# KiCad board Scopefun_v2.kicad_pcb (continued)
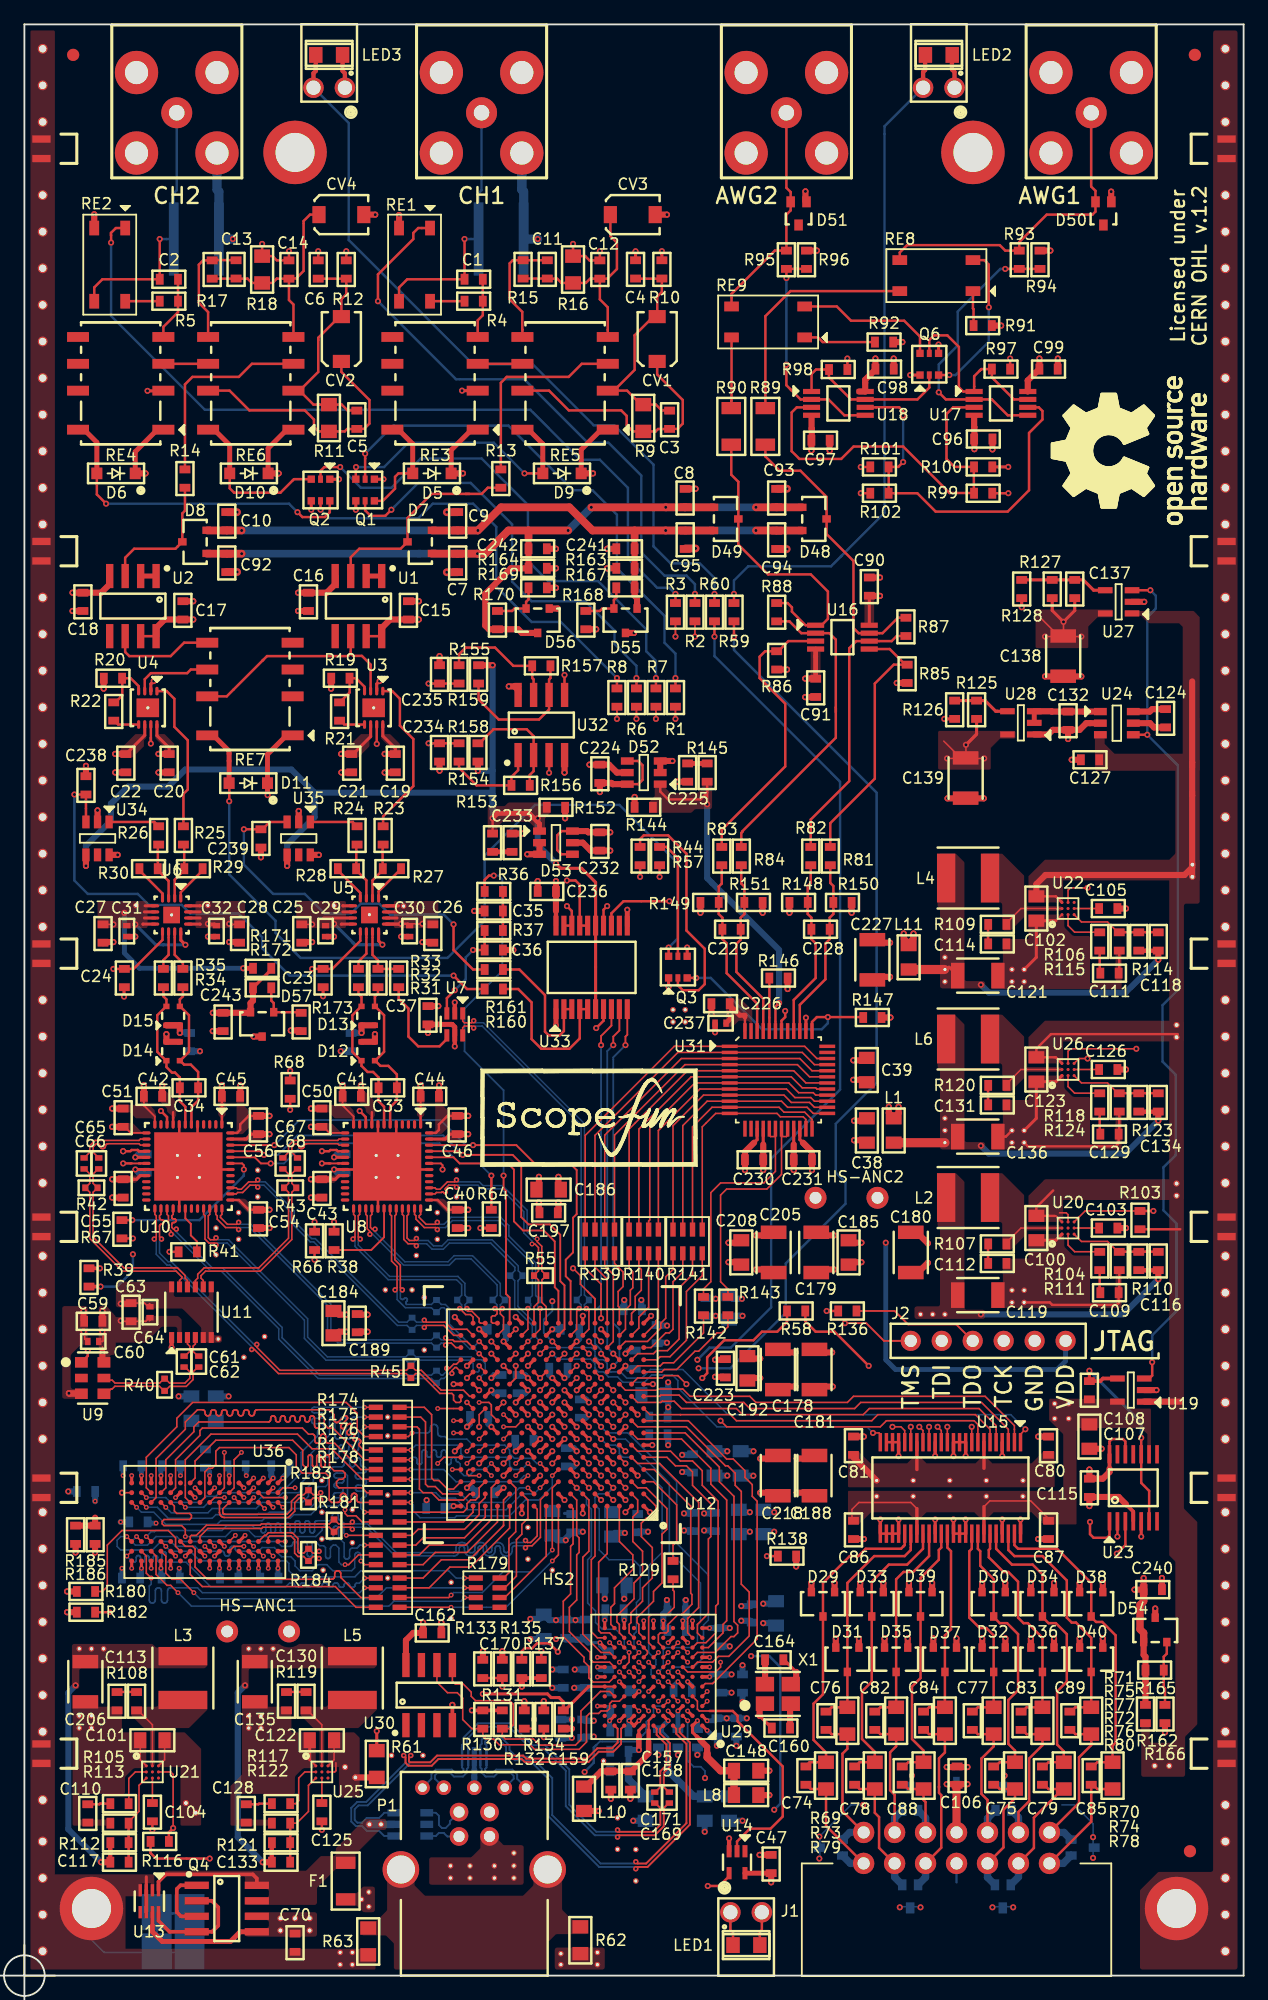
[diagram p0: board, top side]
## Placement (name value [footprint] x y rotation side) (continued)
R156  R_1.02k  [R_0603]  40.7 97.6 90 top
R157  R_1.02k  [R_0603]  42.4 107.4 90 top
R158  R_1.02k  [R_0603]  35.65 100.3 0 top
R159  R_1.02k  [R_0603]  35.65 106.7 180 top
R160  R_1.02k  [R_0603]  38.5 80.9 90 top
R161  R_1.02k  [R_0603]  38.5 82.5 90 top
R162  R_1.02k  [R_0603]  91.95 21.45 0 top
R163  R_1.02k  [R_0603]  49.3 115.4 270 top
R164  R_1.02k  [R_0603]  42.1 115.4 90 top
R165  R_6.8k  [R_0603]  92.7 25.05 90 top
R166  R_22k  [R_0603]  93.55 21.45 0 top
R167  R_1.02k  [R_0603]  49.3 113.8 270 top
R168  R_6.8k  [R_0603]  46.05 111.15 0 top
R169  R_1.02k  [R_0603]  42.1 113.8 270 top
R170  R_6.8k  [R_0603]  38.8 111.15 0 top
R171  R_1.02k  [R_0603]  19.5 82.6 270 top
R172  R_200R  [R_0603]  19.5 81 90 top
R173  R_1.02k  [R_0603]  22.7 78.2 0 top
R174  RA_27R  [R_CRA06E]  29.8 45.4 180 top
R175  RA_27R  [R_CRA06E]  29.8 41.9 180 top
R176  RA_27R  [R_CRA06E]  29.8 38.4 180 top
R177  RA_27R  [R_CRA06E]  29.8 34.9 180 top
R178  RA_27R  [R_CRA06E]  29.8 31.4 180 top
R179  RA_27R  [R_CRA06E]  38 31.4 180 top
R180  R_240R  [R_0603]  5.05 31.5 270 top
R181  R_100  [R_0402]  25.4 36.9 180 top
R182  R_4k7  [R_0603]  5.05 29.8 270 top
R183  R_100  [R_0402]  23.3 39.3 0 top
R184  R_100  [R_0402]  23.3 34.5 0 top
R185  R_1.02k  [R_0603]  5.8 36.15 180 top
R186  R_1.02k  [R_0603]  4.2 36.15 0 top
RE1  AQY282SX  [SOP-4]  32 140.3 90 top
RE2  AQY282SX  [SOP-4]  7 140.3 90 top
RE3  G6K-2F-Y-DC4.5  [G6K-2F-Y]  33.68 130.57 180 top
RE4  G6K-2F-Y-DC4.5  [G6K-2F-Y]  7.9 130.57 180 top
RE5  G6K-2F-Y-DC4.5  [G6K-2F-Y]  44.35 130.57 180 top
RE6  G6K-2F-Y-DC4.5  [G6K-2F-Y]  18.57 130.57 180 top
RE7  G6K-2F-Y-DC4.5  [G6K-2F-Y]  18.5 105.5 180 top
RE8  AQY282SX  [SOP-4]  74.8 139.4 0 top
RE9  AQY282SX  [SOP-4]  61 135.6 0 top
SHLD1  SHLD_FINGER_0820  [EMI_SHLD_FINGER_0820]  1.4 18.2 90 top
SHLD2  SHLD_FINGER_0820  [EMI_SHLD_FINGER_0820]  98.6 18.2 270 top
SHLD3  SHLD_FINGER_0820  [EMI_SHLD_FINGER_0820]  1.4 40 90 top
SHLD4  SHLD_FINGER_0820  [EMI_SHLD_FINGER_0820]  98.6 40 270 top
SHLD5  SHLD_FINGER_0820  [EMI_SHLD_FINGER_0820]  1.4 61.4 90 top
SHLD6  SHLD_FINGER_0820  [EMI_SHLD_FINGER_0820]  98.6 61.4 270 top
SHLD7  SHLD_FINGER_0820  [EMI_SHLD_FINGER_0820]  1.4 83.8 90 top
SHLD8  SHLD_FINGER_0820  [EMI_SHLD_FINGER_0820]  98.6 83.8 270 top
SHLD9  SHLD_FINGER_0820  [EMI_SHLD_FINGER_0820]  1.4 116.8 90 top
SHLD10  SHLD_FINGER_0820  [EMI_SHLD_FINGER_0820]  98.6 116.8 270 top
SHLD11  SHLD_FINGER_0820  [EMI_SHLD_FINGER_0820]  1.4 149.8 90 top
SHLD12  SHLD_FINGER_0820  [EMI_SHLD_FINGER_0820]  98.6 149.8 270 top
SLP1  SLP3-300-100-F  [SLP3-300-100-R]  59.2 2.5 270 top
SLP2  SLP3-300-100-F  [SLP3-300-100-R]  75 157.5 90 top
SLP3  SLP3-300-100-F  [SLP3-300-100-R]  25 157.5 90 top
U1  ADA4817-1  [SOIC8]  27.4 112.3 270 top
U2  ADA4817-1  [SOIC8]  8.9 112.3 270 top
U3  AD8337  [CP-8-2]  28.65 103.96 0 top
U4  AD8337  [CP-8-2]  10.12 103.96 0 top
U5  ADA4932-1  [CP-16-2]  28.3 86.97 0 top
U6  ADA4932-1  [CP-16-2]  12.08 86.97 0 top
U7  LTC6754  [SC70-6]  35.3 78 0 top
U8  KAD5510P-25Q48  [L48.7x7E]  29.75 66.35 270 top
U9  SG3225VAN-250Mhz  [3.2X2.5_SMD_6_EPSON]  5.6 49 0 top
U10  KAD5510P-25Q48  [L48.7x7E]  13.45 66.35 270 top
U11  LTC6957-2  [12-MSOP]  13.7 54.4 90 top
U12  XC7A35T-FTG256  [BGA256_FTG256]  43.3 46 270 top
U13  LTC4360-1  [SC70]  10.25 6.1 0 top
U14  SN74AUP1T17DCKR  [SC70-5]  58.45 9.3 180 top
U15  74AVCH16T245  [TSSOP48]  75.95 39.99 270 top
U16  OPA2830  [TSSOP8]  67.09 109.75 0 top
U17  LM393DGK  [TSSOP8]  80.1 128.92 0 top
U18  LM393DGK  [TSSOP8]  66.76 128.92 0 top
U19  SPX3819  [SOT23-5_EXAR]  90.75 48.01 270 top
U20  MAX15053  [WLP-9]  85.6 61.3 180 top
U21  MAX15053  [WLP-9]  10.5 16.7 90 top
U22  MAX15053  [WLP-9]  85.6 87.5 180 top
U23  MCP4251  [TSSOP14]  90.95 40 90 top
U24  LM2776  [SOT23-6]  89.6 102.7 270 top
U25  MAX15053  [WLP-9]  24.4 16.7 90 top
U26  MAX15053  [WLP-9]  85.6 74.3 180 top
U27  SPX3819  [SOT23-5_EXAR]  89.75 112.65 270 top
U28  TPS72301  [SOT23-5]  81.73 102.73 90 top
U29  CYUSB3014  [BGA121_0.8mm]  51.6 24.5 180 top
U30  M24M02-DR  [SOIC8]  33.2 23 90 top
U31  DAC5662  [S-PQFP-G48]  61.85 73.45 90 top
U32  AZ4558C  [SOIC8]  42.4 102.55 90 top
U33  MAX5501  [SSOP20]  46.53 82.68 90 top
U34  OPA692  [SOT23-6]  6 93.25 180 top
U35  OPA692  [SOT23-6]  22.5 93.25 180 top
U36  IS43TR16256A-125KBL  [TW-BGA-96]  14.8 37.2 270 top
VIA  VIA-0.5-0.3mm  [VIA-0.5mm-0.3mm]  21 4.7 0 top
VIA#2  VIA-0.5-0.3mm  [VIA-0.5mm-0.3mm]  13.25 14.15 0 top
VIA#3  VIA-0.8-0.6mm  [VIA-0.8mm-0.6mm]  1.5 2 0 top
VIA#4  VIA-0.8-0.6mm  [VIA-0.8mm-0.6mm]  1.5 5 0 top
VIA#5  VIA-0.8-0.6mm  [VIA-0.8mm-0.6mm]  1.5 8 0 top
VIA#6  VIA-0.8-0.6mm  [VIA-0.8mm-0.6mm]  1.5 11 0 top
VIA#7  VIA-0.8-0.6mm  [VIA-0.8mm-0.6mm]  1.5 14.4 0 top
VIA#8  VIA-0.8-0.6mm  [VIA-0.8mm-0.6mm]  1.5 20 0 top
VIA#9  VIA-0.8-0.6mm  [VIA-0.8mm-0.6mm]  1.5 23 0 top
VIA#10  VIA-0.8-0.6mm  [VIA-0.8mm-0.6mm]  1.5 26 0 top
VIA#11  VIA-0.8-0.6mm  [VIA-0.8mm-0.6mm]  1.5 29 0 top
VIA#12  VIA-0.8-0.6mm  [VIA-0.8mm-0.6mm]  1.5 32 0 top
VIA#13  VIA-0.8-0.6mm  [VIA-0.8mm-0.6mm]  1.5 35 0 top
VIA#14  VIA-0.8-0.6mm  [VIA-0.8mm-0.6mm]  1.5 38 0 top
VIA#15  VIA-0.8-0.6mm  [VIA-0.8mm-0.6mm]  1.5 47 0 top
VIA#16  VIA-0.8-0.6mm  [VIA-0.8mm-0.6mm]  1.5 50 0 top
VIA#17  VIA-0.8-0.6mm  [VIA-0.8mm-0.6mm]  1.5 53 0 top
VIA#18  VIA-0.8-0.6mm  [VIA-0.8mm-0.6mm]  1.5 56 0 top
VIA#19  VIA-0.8-0.6mm  [VIA-0.8mm-0.6mm]  1.5 59 0 top
VIA#20  VIA-0.8-0.6mm  [VIA-0.8mm-0.6mm]  1.5 65 0 top
VIA#21  VIA-0.8-0.6mm  [VIA-0.8mm-0.6mm]  1.5 68 0 top
VIA#22  VIA-0.8-0.6mm  [VIA-0.8mm-0.6mm]  1.5 71 0 top
VIA#23  VIA-0.8-0.6mm  [VIA-0.8mm-0.6mm]  1.5 74 0 top
VIA#24  VIA-0.8-0.6mm  [VIA-0.8mm-0.6mm]  1.5 77 0 top
VIA#25  VIA-0.8-0.6mm  [VIA-0.8mm-0.6mm]  1.5 80 0 top
VIA#26  VIA-0.8-0.6mm  [VIA-0.8mm-0.6mm]  1.5 86 0 top
VIA#27  VIA-0.8-0.6mm  [VIA-0.8mm-0.6mm]  1.5 89 0 top
VIA#28  VIA-0.8-0.6mm  [VIA-0.8mm-0.6mm]  1.5 92 0 top
VIA#29  VIA-0.8-0.6mm  [VIA-0.8mm-0.6mm]  1.5 95 0 top
VIA#30  VIA-0.8-0.6mm  [VIA-0.8mm-0.6mm]  1.5 98 0 top
VIA#31  VIA-0.8-0.6mm  [VIA-0.8mm-0.6mm]  1.5 101 0 top
VIA#32  VIA-0.8-0.6mm  [VIA-0.8mm-0.6mm]  1.5 104 0 top
VIA#33  VIA-0.8-0.6mm  [VIA-0.8mm-0.6mm]  1.5 107 0 top
VIA#34  VIA-0.8-0.6mm  [VIA-0.8mm-0.6mm]  1.5 110 0 top
VIA#35  VIA-0.8-0.6mm  [VIA-0.8mm-0.6mm]  1.5 113 0 top
VIA#36  VIA-0.8-0.6mm  [VIA-0.8mm-0.6mm]  1.5 119 0 top
VIA#37  VIA-0.8-0.6mm  [VIA-0.8mm-0.6mm]  1.5 122 0 top
VIA#38  VIA-0.8-0.6mm  [VIA-0.8mm-0.6mm]  1.5 125 0 top
VIA#39  VIA-0.8-0.6mm  [VIA-0.8mm-0.6mm]  1.5 128 0 top
VIA#40  VIA-0.8-0.6mm  [VIA-0.8mm-0.6mm]  1.5 131 0 top
VIA#41  VIA-0.8-0.6mm  [VIA-0.8mm-0.6mm]  1.5 134 0 top
VIA#42  VIA-0.8-0.6mm  [VIA-0.8mm-0.6mm]  1.5 137 0 top
VIA#43  VIA-0.8-0.6mm  [VIA-0.8mm-0.6mm]  1.5 140 0 top
VIA#44  VIA-0.8-0.6mm  [VIA-0.8mm-0.6mm]  1.5 143 0 top
VIA#45  VIA-0.8-0.6mm  [VIA-0.8mm-0.6mm]  1.5 152 0 top
VIA#46  VIA-0.8-0.6mm  [VIA-0.8mm-0.6mm]  1.5 155 0 top
VIA#47  VIA-0.8-0.6mm  [VIA-0.8mm-0.6mm]  1.5 158 0 top
VIA#48  VIA-0.8-0.6mm  [VIA-0.8mm-0.6mm]  98.5 2 0 top
VIA#49  VIA-0.8-0.6mm  [VIA-0.8mm-0.6mm]  98.5 5 0 top
VIA#50  VIA-0.8-0.6mm  [VIA-0.8mm-0.6mm]  98.5 8 0 top
VIA#51  VIA-0.8-0.6mm  [VIA-0.8mm-0.6mm]  98.5 11 0 top
VIA#52  VIA-0.8-0.6mm  [VIA-0.8mm-0.6mm]  98.5 14 0 top
VIA#53  VIA-0.8-0.6mm  [VIA-0.8mm-0.6mm]  98.5 20 0 top
VIA#54  VIA-0.8-0.6mm  [VIA-0.8mm-0.6mm]  98.5 23 0 top
VIA#55  VIA-0.8-0.6mm  [VIA-0.8mm-0.6mm]  98.5 26 0 top
VIA#56  VIA-0.8-0.6mm  [VIA-0.8mm-0.6mm]  98.5 29 0 top
VIA#57  VIA-0.8-0.6mm  [VIA-0.8mm-0.6mm]  98.5 32 0 top
VIA#58  VIA-0.8-0.6mm  [VIA-0.8mm-0.6mm]  98.5 35 0 top
VIA#59  VIA-0.8-0.6mm  [VIA-0.8mm-0.6mm]  98.5 38 0 top
VIA#60  VIA-0.8-0.6mm  [VIA-0.8mm-0.6mm]  98.5 44 0 top
VIA#61  VIA-0.8-0.6mm  [VIA-0.8mm-0.6mm]  98.5 47 0 top
VIA#62  VIA-0.8-0.6mm  [VIA-0.8mm-0.6mm]  98.5 50 0 top
VIA#63  VIA-0.8-0.6mm  [VIA-0.8mm-0.6mm]  98.5 53 0 top
VIA#64  VIA-0.8-0.6mm  [VIA-0.8mm-0.6mm]  98.5 56 0 top
VIA#65  VIA-0.8-0.6mm  [VIA-0.8mm-0.6mm]  98.5 59 0 top
VIA#66  VIA-0.8-0.6mm  [VIA-0.8mm-0.6mm]  98.5 65 0 top
VIA#67  VIA-0.8-0.6mm  [VIA-0.8mm-0.6mm]  98.5 68 0 top
VIA#68  VIA-0.8-0.6mm  [VIA-0.8mm-0.6mm]  98.5 71 0 top
VIA#69  VIA-0.8-0.6mm  [VIA-0.8mm-0.6mm]  98.5 74 0 top
VIA#70  VIA-0.8-0.6mm  [VIA-0.8mm-0.6mm]  98.5 77 0 top
VIA#71  VIA-0.8-0.6mm  [VIA-0.8mm-0.6mm]  98.5 80 0 top
VIA#72  VIA-0.8-0.6mm  [VIA-0.8mm-0.6mm]  98.5 86 0 top
VIA#73  VIA-0.8-0.6mm  [VIA-0.8mm-0.6mm]  98.5 89 0 top
VIA#74  VIA-0.8-0.6mm  [VIA-0.8mm-0.6mm]  98.5 92 0 top
VIA#75  VIA-0.8-0.6mm  [VIA-0.8mm-0.6mm]  98.5 95 0 top
VIA#76  VIA-0.8-0.6mm  [VIA-0.8mm-0.6mm]  98.5 98 0 top
VIA#77  VIA-0.8-0.6mm  [VIA-0.8mm-0.6mm]  98.5 101 0 top
VIA#78  VIA-0.8-0.6mm  [VIA-0.8mm-0.6mm]  98.5 104 0 top
VIA#79  VIA-0.8-0.6mm  [VIA-0.8mm-0.6mm]  98.5 107 0 top
VIA#80  VIA-0.8-0.6mm  [VIA-0.8mm-0.6mm]  98.5 110 0 top
VIA#81  VIA-0.8-0.6mm  [VIA-0.8mm-0.6mm]  98.5 113 0 top
VIA#82  VIA-0.8-0.6mm  [VIA-0.8mm-0.6mm]  98.5 119 0 top
VIA#83  VIA-0.8-0.6mm  [VIA-0.8mm-0.6mm]  98.5 122 0 top
VIA#84  VIA-0.8-0.6mm  [VIA-0.8mm-0.6mm]  98.5 125 0 top
VIA#85  VIA-0.8-0.6mm  [VIA-0.8mm-0.6mm]  98.5 128 0 top
VIA#86  VIA-0.8-0.6mm  [VIA-0.8mm-0.6mm]  98.5 131 0 top
VIA#87  VIA-0.8-0.6mm  [VIA-0.8mm-0.6mm]  98.5 134 0 top
VIA#88  VIA-0.8-0.6mm  [VIA-0.8mm-0.6mm]  98.5 137 0 top
VIA#89  VIA-0.8-0.6mm  [VIA-0.8mm-0.6mm]  98.5 140 0 top
VIA#90  VIA-0.8-0.6mm  [VIA-0.8mm-0.6mm]  98.5 143 0 top
VIA#91  VIA-0.8-0.6mm  [VIA-0.8mm-0.6mm]  98.5 146 0 top
VIA#92  VIA-0.8-0.6mm  [VIA-0.8mm-0.6mm]  98.5 152 0 top
VIA#93  VIA-0.8-0.6mm  [VIA-0.8mm-0.6mm]  98.5 155 0 top
VIA#94  VIA-0.8-0.6mm  [VIA-0.8mm-0.6mm]  98.5 158 0 top
VIA#95  VIA-0.45-0.25mm  [VIA-0.5mm-0.3mm#3]  81.9 40.6 0 top
VIA#96  VIA-0.45-0.25mm  [VIA-0.5mm-0.3mm#3]  78.9 40.6 0 top
VIA#97  VIA-0.45-0.25mm  [VIA-0.5mm-0.3mm#3]  75.9 40.6 0 top
VIA#98  VIA-0.45-0.25mm  [VIA-0.5mm-0.3mm#3]  72.9 40.6 0 top
VIA#99  VIA-0.45-0.25mm  [VIA-0.5mm-0.3mm#3]  69.9 40.6 0 top
VIA#100  VIA-0.45-0.25mm  [VIA-0.5mm-0.3mm#3]  81.9 39.3 0 top
VIA#101  VIA-0.45-0.25mm  [VIA-0.5mm-0.3mm#3]  78.9 39.3 0 top
VIA#102  VIA-0.45-0.25mm  [VIA-0.5mm-0.3mm#3]  75.9 39.3 0 top
VIA#103  VIA-0.45-0.25mm  [VIA-0.5mm-0.3mm#3]  72.9 39.3 0 top
VIA#104  VIA-0.45-0.25mm  [VIA-0.5mm-0.3mm#3]  69.9 39.3 0 top
VIA#105  VIA-0.45-0.25mm  [VIA-0.5mm-0.3mm#3]  85.65 45.68 0 top
VIA#106  VIA-0.45-0.25mm  [VIA-0.5mm-0.3mm#3]  28.25 5.65 90 top
VIA#107  VIA-0.45-0.25mm  [VIA-0.5mm-0.3mm#3]  28.25 6.85 90 top
VIA#108  VIA-0.45-0.25mm  [VIA-0.45mm-0.25mm]  15.9 52.2 0 top
VIA#109  VIA-0.45-0.25mm  [VIA-0.45mm-0.25mm]  75.5 54.22 90 top
VIA#110  VIA-0.45-0.25mm  [VIA-0.45mm-0.25mm]  75.5 68.3 0 top
VIA#111  VIA-0.45-0.25mm  [VIA-0.45mm-0.25mm]  75.5 69.3 0 top
VIA#112  VIA-0.45-0.25mm  [VIA-0.45mm-0.25mm]  74.5 54.22 90 top
VIA#113  VIA-0.45-0.25mm  [VIA-0.5mm-0.3mm#3]  4.5 21.3 0 top
VIA#114  VIA-0.45-0.25mm  [VIA-0.5mm-0.3mm#3]  5.5 21.3 0 top
VIA#115  VIA-0.45-0.25mm  [VIA-0.5mm-0.3mm#3]  4.5 20.3 0 top
VIA#116  VIA-0.45-0.25mm  [VIA-0.5mm-0.3mm#3]  5.5 20.3 0 top
VIA#117  VIA-0.45-0.25mm  [VIA-0.5mm-0.3mm#3]  19.4 20.3 0 top
VIA#118  VIA-0.45-0.25mm  [VIA-0.5mm-0.3mm#3]  18.4 21.3 0 top
VIA#119  VIA-0.45-0.25mm  [VIA-0.5mm-0.3mm#3]  18.4 20.3 0 top
VIA#120  VIA-0.45-0.25mm  [VIA-0.5mm-0.3mm#3]  19.4 21.3 0 top
VIA#121  VIA-0.45-0.25mm  [VIA-0.5mm-0.3mm#3]  82 55.2 0 top
VIA#122  VIA-0.45-0.25mm  [VIA-0.5mm-0.3mm#3]  81 56.2 0 top
VIA#123  VIA-0.45-0.25mm  [VIA-0.5mm-0.3mm#3]  81 55.2 0 top
VIA#124  VIA-0.45-0.25mm  [VIA-0.5mm-0.3mm#3]  82 56.2 0 top
VIA#125  VIA-0.45-0.25mm  [VIA-0.5mm-0.3mm#3]  82 68.3 0 top
VIA#126  VIA-0.45-0.25mm  [VIA-0.5mm-0.3mm#3]  82 69.3 0 top
VIA#127  VIA-0.45-0.25mm  [VIA-0.5mm-0.3mm#3]  81 69.3 0 top
VIA#128  VIA-0.45-0.25mm  [VIA-0.5mm-0.3mm#3]  81 68.3 0 top
VIA#129  VIA-0.45-0.25mm  [VIA-0.5mm-0.3mm#3]  81 82.5 0 top
VIA#130  VIA-0.45-0.25mm  [VIA-0.5mm-0.3mm#3]  81 81.5 0 top
VIA#131  VIA-0.45-0.25mm  [VIA-0.5mm-0.3mm#3]  82 82.5 0 top
VIA#132  VIA-0.45-0.25mm  [VIA-0.5mm-0.3mm#3]  82 81.5 0 top
VIA#133  VIA-0.45-0.25mm  [VIA-0.45mm-0.25mm]  73.5 54.22 90 top
VIA#134  VIA-0.45-0.25mm  [VIA-0.45mm-0.25mm]  75.5 70.3 0 top
VIA#135  VIA-0.45-0.25mm  [VIA-0.45mm-0.25mm]  75.5 82.5 0 top
VIA#136  VIA-0.45-0.25mm  [VIA-0.45mm-0.25mm]  75.5 81.5 0 top
VIA#137  VIA-0.45-0.25mm  [VIA-0.45mm-0.25mm]  75.5 83.5 0 top
VIA#138  VIA-0.45-0.25mm  [VIA-0.45mm-0.25mm]  18.4 26.8 270 top
VIA#139  VIA-0.45-0.25mm  [VIA-0.45mm-0.25mm]  19.4 26.8 270 top
VIA#140  VIA-0.45-0.25mm  [VIA-0.45mm-0.25mm]  20.4 26.8 270 top
VIA#141  VIA-0.45-0.25mm  [VIA-0.45mm-0.25mm]  4.5 26.8 270 top
VIA#142  VIA-0.45-0.25mm  [VIA-0.45mm-0.25mm]  5.5 26.8 270 top
VIA#143  VIA-0.45-0.25mm  [VIA-0.45mm-0.25mm]  6.5 26.8 270 top
VIA#144  VIA-0.5-0.3mm  [VIA-0.5mm-0.3mm]  14.05 13.35 0 top
VIA#145  VIA-0.5-0.3mm  [VIA-0.5mm-0.3mm]  27.15 16.25 0 top
VIA#146  VIA-0.5-0.3mm  [VIA-0.5mm-0.3mm]  26.3 17.1 0 top
VIA#147  VIA-0.45-0.25mm  [VIA-0.5mm-0.3mm#3]  26.9 1.9 0 top
VIA#148  VIA-0.45-0.25mm  [VIA-0.5mm-0.3mm#3]  26.9 0.9 0 top
VIA#149  VIA-0.45-0.25mm  [VIA-0.5mm-0.3mm#3]  85.65 46.9 0 top
VIA#150  VIA-0.45-0.25mm  [VIA-0.5mm-0.3mm#3]  12.55 67.25 0 top
VIA#151  VIA-0.45-0.25mm  [VIA-0.5mm-0.3mm#3]  12.08 86.97 0 top
VIA#152  VIA-0.45-0.25mm  [VIA-0.5mm-0.3mm#3]  28.3 87 0 top
VIA#153  VIA-0.45-0.25mm  [VIA-0.5mm-0.3mm#3]  10.12 103.96 0 top
VIA#154  VIA-0.45-0.25mm  [VIA-0.5mm-0.3mm#3]  28.65 103.96 0 top
VIA#155  VIA-0.45-0.25mm  [VIA-0.45mm-0.25mm]  32.8 51.3 0 top
VIA#156  VIA-0.45-0.25mm  [VIA-0.45mm-0.25mm]  32.8 55.6 0 top
VIA#157  VIA-0.45-0.25mm  [VIA-0.45mm-0.25mm]  9.15 87.75 0 top
VIA#158  VIA-0.45-0.25mm  [VIA-0.45mm-0.25mm]  25.4 87.73 0 top
VIA#159  VIA-0.45-0.25mm  [VIA-0.45mm-0.25mm]  31.1 87.7 0 top
VIA#160  VIA-0.45-0.25mm  [VIA-0.45mm-0.25mm]  15.05 87.75 0 top
VIA#161  VIA-0.45-0.25mm  [VIA-0.45mm-0.25mm]  53.2 79.2 0 top
VIA#162  VIA-0.45-0.25mm  [VIA-0.45mm-0.25mm]  54.2 79.2 0 top
VIA#163  VIA-0.45-0.25mm  [VIA-0.45mm-0.25mm]  53.2 78.2 0 top
VIA#164  VIA-0.45-0.25mm  [VIA-0.45mm-0.25mm]  54.2 78.2 0 top
VIA#165  VIA-0.5-0.3mm  [VIA-0.5mm-0.3mm]  23.4 4.7 0 top
VIA#166  VIA-0.5-0.3mm  [VIA-0.5mm-0.3mm]  23.4 3.7 0 top
VIA#167  VIA-0.5-0.3mm  [VIA-0.5mm-0.3mm]  21 3.7 0 top
VIA#168  VIA-0.45-0.25mm  [VIA-0.5mm-0.3mm#3]  25.9 1.9 0 top
VIA#169  VIA-0.5-0.3mm  [VIA-0.5mm-0.3mm]  22.2 4.7 0 top
VIA#170  VIA-0.5-0.3mm  [VIA-0.5mm-0.3mm]  92.7 17.2 0 top
VIA#171  VIA-0.5-0.3mm  [VIA-0.5mm-0.3mm]  93.9 17.2 0 top
VIA#172  VIA-0.45-0.25mm  [VIA-0.5mm-0.3mm#3]  27.65 6.25 90 top
VIA#173  VIA-0.45-0.25mm  [VIA-0.5mm-0.3mm#3]  25.9 0.9 0 top
VIA#174  VIA-0.5-0.3mm  [VIA-0.5mm-0.3mm]  94.5 63.95 0 top
VIA#175  VIA-0.5-0.3mm  [VIA-0.5mm-0.3mm]  94.5 64.95 0 top
VIA#176  VIA-0.5-0.3mm  [VIA-0.5mm-0.3mm]  94.5 76.95 0 top
VIA#177  VIA-0.5-0.3mm  [VIA-0.5mm-0.3mm]  94.5 77.95 0 top
VIA#178  VIA-0.5-0.3mm  [VIA-0.5mm-0.3mm]  95.8 91.1 0 top
VIA#179  VIA-0.5-0.3mm  [VIA-0.5mm-0.3mm]  95.8 90.1 0 top
VIA#180  VIA-0.8-0.6mm  [VIA-0.8mm-0.6mm]  1.5 146 0 top
VIA#181  VIA-0.8-0.6mm  [VIA-0.8mm-0.6mm]  1.5 44 0 top
VIA#182  VIA-0.45-0.25mm  [VIA-0.5mm-0.3mm#3]  47.5 17.6 0 top
VIA#183  VIA-0.45-0.25mm  [VIA-0.5mm-0.3mm#3]  47 1.9 0 top
VIA#184  VIA-0.45-0.25mm  [VIA-0.5mm-0.3mm#3]  47 0.9 0 top
VIA#185  VIA-0.45-0.25mm  [VIA-0.5mm-0.3mm#3]  44 1.8 0 top
VIA#186  VIA-0.45-0.25mm  [VIA-0.5mm-0.3mm#3]  44 0.9 0 top
VIA#187  VIA-0.45-0.25mm  [VIA-0.5mm-0.3mm#3]  40.15 10.05 0 top
VIA#188  VIA-0.45-0.25mm  [VIA-0.5mm-0.3mm#3]  40.15 9 0 top
VIA#189  VIA-0.45-0.25mm  [VIA-0.5mm-0.3mm#3]  38.55 9 0 top
VIA#190  VIA-0.45-0.25mm  [VIA-0.5mm-0.3mm#3]  40.15 8 0 top
VIA#191  VIA-0.45-0.25mm  [VIA-0.5mm-0.3mm#3]  38.55 8 0 top
VIA#192  VIA-0.45-0.25mm  [VIA-0.5mm-0.3mm#3]  36.55 9 0 top
VIA#193  VIA-0.45-0.25mm  [VIA-0.5mm-0.3mm#3]  36.55 8 0 top
VIA#194  VIA-0.45-0.25mm  [VIA-0.5mm-0.3mm#3]  34.95 9 0 top
VIA#195  VIA-0.45-0.25mm  [VIA-0.5mm-0.3mm#3]  34.95 8 0 top
VIA#196  VIA-0.5-0.3mm  [VIA-0.5mm-0.3mm]  29.25 12.4 0 top
VIA#197  VIA-0.5-0.3mm  [VIA-0.5mm-0.3mm]  28.3 12.4 0 top
VIA#198  VIA-0.45-0.25mm  [VIA-0.45mm-0.25mm]  48.65 12.94 0 top
VIA#199  VIA-0.45-0.25mm  [VIA-0.45mm-0.25mm]  50.15 10.34 0 top
VIA#200  VIA-0.45-0.25mm  [VIA-0.45mm-0.25mm]  48.65 10.36 0 top
VIA#201  VIA-0.45-0.25mm  [VIA-0.45mm-0.25mm]  50.15 7.76 0 top
VIA#202  VIA-0.45-0.25mm  [VIA-0.45mm-0.25mm]  32.69 18.05 0 top
VIA#203  VIA-0.45-0.25mm  [VIA-0.45mm-0.25mm]  30.11 18.05 0 top
VIA#204  VIA-0.45-0.25mm  [VIA-0.5mm-0.3mm#3]  84.5 45.68 0 top
VIA#205  VIA-0.45-0.25mm  [VIA-0.5mm-0.3mm#3]  28.85 67.25 0 top
VIA#206  VIA-0.45-0.25mm  [VIA-0.5mm-0.3mm#3]  30.65 67.25 0 top
VIA#207  VIA-0.45-0.25mm  [VIA-0.5mm-0.3mm#3]  30.65 65.45 0 top
VIA#208  VIA-0.45-0.25mm  [VIA-0.5mm-0.3mm#3]  28.85 65.45 0 top
VIA#209  VIA-0.45-0.25mm  [VIA-0.5mm-0.3mm#2]  14.3 67.2 0 top
VIA#210  VIA-0.45-0.25mm  [VIA-0.5mm-0.3mm#3]  12.55 65.45 0 top
VIA#211  VIA-0.45-0.25mm  [VIA-0.5mm-0.3mm#3]  14.35 65.45 0 top
VIA#212  VIA-0.45-0.25mm  [VIA-0.5mm-0.3mm#3]  84.5 46.9 0 top
VIA#213  VIA-0.45-0.25mm  [VIA-0.5mm-0.3mm#3]  35.44 66.05 0 top
VIA#214  VIA-0.45-0.25mm  [VIA-0.5mm-0.3mm#3]  35.44 63.85 0 top
VIA#215  VIA-0.45-0.25mm  [VIA-0.5mm-0.3mm#3]  33.87 62.57 0 top
VIA#216  VIA-0.45-0.25mm  [VIA-0.5mm-0.3mm#3]  33.87 60.38 0 top
VIA#217  VIA-0.45-0.25mm  [VIA-0.5mm-0.3mm#3]  15.72 61.3 0 top
VIA#218  VIA-0.45-0.25mm  [VIA-0.5mm-0.3mm#3]  15.72 59.11 0 top
VIA#219  VIA-0.45-0.25mm  [VIA-0.5mm-0.3mm#3]  31.8 56.23 90 top
VIA#220  VIA-0.45-0.25mm  [VIA-0.5mm-0.3mm#3]  29.6 56.23 90 top
VIA#221  VIA-0.45-0.25mm  [VIA-0.5mm-0.3mm#3]  17.57 60.38 0 top
VIA#222  VIA-0.45-0.25mm  [VIA-0.5mm-0.3mm#3]  17.57 62.57 0 top
VIA#223  VIA-0.45-0.25mm  [VIA-0.5mm-0.3mm#3]  19.14 63.85 0 top
VIA#224  VIA-0.45-0.25mm  [VIA-0.5mm-0.3mm#3]  32.15 61.24 0 top
VIA#225  VIA-0.45-0.25mm  [VIA-0.5mm-0.3mm#3]  32.15 59.05 0 top
VIA#226  VIA-0.45-0.25mm  [VIA-0.5mm-0.3mm#3]  18 50.7 0 top
VIA#227  VIA-0.45-0.25mm  [VIA-0.5mm-0.3mm#3]  19.7 52.4 0 top
VIA#228  VIA-0.45-0.25mm  [VIA-0.5mm-0.3mm#3]  19.14 66.05 0 top
VIA_DG  VIA-0.45-0.25mm  [VIA-0.45mm-0.25mm]  24.4 40.6 0 top
VIA_DG#2  VIA-0.45-0.25mm  [VIA-0.45mm-0.25mm]  24.4 38 0 top
VIA_DG#3  VIA-0.45-0.25mm  [VIA-0.45mm-0.25mm]  26.9 38.2 0 top
VIA_DG#4  VIA-0.45-0.25mm  [VIA-0.45mm-0.25mm]  26.9 35.5 0 top
VIA_DG#5  VIA-0.45-0.25mm  [VIA-0.45mm-0.25mm]  24.4 35.8 0 top
VIA_DG#6  VIA-0.45-0.25mm  [VIA-0.45mm-0.25mm]  24.5 33.25 0 top
VIA_DG#7  VIA-0.45-0.25mm  [VIA-0.45mm-0.25mm]  41.3 36.75 0 top
VIA_DG#8  VIA-0.45-0.25mm  [VIA-0.45mm-0.25mm]  41.3 34.15 0 top
VIA_DG#9  VIA-0.45-0.25mm  [VIA-0.45mm-0.25mm]  29.8 45.8 0 top
VIA_DG#10  VIA-0.45-0.25mm  [VIA-0.45mm-0.25mm]  29.8 44.25 0 top
VIA_DG#11  VIA-0.45-0.25mm  [VIA-0.45mm-0.25mm]  29.8 39.4 0 top
VIA_DG#12  VIA-0.45-0.25mm  [VIA-0.45mm-0.25mm]  29.8 32.6 0 top
VIA_DG#13  VIA-0.45-0.25mm  [VIA-0.45mm-0.25mm]  35 32.25 0 top
VIA_DG#14  VIA-0.45-0.25mm  [VIA-0.45mm-0.25mm]  35 29.3 0 top
VIA_DG#15  VIA-0.45-0.25mm  [VIA-0.45mm-0.25mm]  43.3 33.25 0 top
X1  X_Crystal_19.2Mhz  [XTAL-4]  61.8 23.1 90 top

## Footprints (pads in the part's own frame, mm; a bottom-side part is the same pattern mirrored in y, then rotated)
3.2X2.5_SMD_6_EPSON
  rect 1.05x0.86 smd: 1(-0.925,1.29) 3(-0.925,-1.29) 4(0.925,-1.29) 6(0.925,1.29)
  rect 1.05x0.7 smd: 2(-0.925,0) 5(0.925,0)
12-MSOP
  rect 0.889x0.42 smd: 1(-2.075,1.625) 2(-2.075,0.975) 3(-2.075,0.325) 4(-2.075,-0.325) 5(-2.075,-0.975) 6(-2.075,-1.625) 7(2.075,-1.625) 8(2.075,-0.975) 9(2.075,-0.325) 10(2.075,0.325) 11(2.075,0.975) 12(2.075,1.625)
BGA121_0.8mm
  round 0.35 smd: A1(-4,4) A2(-3.2,4) A3(-2.4,4) A4(-1.6,4) A5(-0.8,4) A6(0,4) A7(0.8,4) A8(1.6,4) A9(2.4,4) A10(3.2,4) A11(4,4) B1(-4,3.2) B2(-3.2,3.2) B3(-2.4,3.2) B4(-1.6,3.2) B5(-0.8,3.2) B6(0,3.2) B7(0.8,3.2) B8(1.6,3.2) B9(2.4,3.2) B10(3.2,3.2) B11(4,3.2) C1(-4,2.4) C2(-3.2,2.4) C3(-2.4,2.4) C4(-1.6,2.4) C5(-0.8,2.4) C6(0,2.4) C7(0.8,2.4) C8(1.6,2.4) C9(2.4,2.4) C10(3.2,2.4) C11(4,2.4) D1(-4,1.6) D2(-3.2,1.6) D3(-2.4,1.6) D4(-1.6,1.6) D5(-0.8,1.6) D6(0,1.6) D7(0.8,1.6) D8(1.6,1.6) D9(2.4,1.6) D10(3.2,1.6) D11(4,1.6) E1(-4,0.8) E2(-3.2,0.8) E3(-2.4,0.8) E4(-1.6,0.8) E5(-0.8,0.8) E6(0,0.8) E7(0.8,0.8) E8(1.6,0.8) E9(2.4,0.8) E10(3.2,0.8) E11(4,0.8) F1(-4,0) F2(-3.2,0) F3(-2.4,0) F4(-1.6,0) F5(-0.8,0) F6(0,0) F7(0.8,0) F8(1.6,0) F9(2.4,0) F10(3.2,0) F11(4,0) G1(-4,-0.8) G2(-3.2,-0.8) G3(-2.4,-0.8) G4(-1.6,-0.8) G5(-0.8,-0.8) G6(0,-0.8) G7(0.8,-0.8) G8(1.6,-0.8) G9(2.4,-0.8) G10(3.2,-0.8) G11(4,-0.8) H1(-4,-1.6) H2(-3.2,-1.6) H3(-2.4,-1.6) H4(-1.6,-1.6) H5(-0.8,-1.6) H6(0,-1.6) H7(0.8,-1.6) H8(1.6,-1.6) H9(2.4,-1.6) H10(3.2,-1.6) H11(4,-1.6) J1(-4,-2.4) J2(-3.2,-2.4) J3(-2.4,-2.4) J4(-1.6,-2.4) J5(-0.8,-2.4) J6(0,-2.4) J7(0.8,-2.4) J8(1.6,-2.4) J9(2.4,-2.4) J10(3.2,-2.4) J11(4,-2.4) K1(-4,-3.2) K2(-3.2,-3.2) K3(-2.4,-3.2) K4(-1.6,-3.2) K5(-0.8,-3.2) K6(0,-3.2) K7(0.8,-3.2) K8(1.6,-3.2) K9(2.4,-3.2) K10(3.2,-3.2) K11(4,-3.2) L1(-4,-4) L2(-3.2,-4) L3(-2.4,-4) L4(-1.6,-4) L5(-0.8,-4) L6(0,-4) L7(0.8,-4) L8(1.6,-4) L9(2.4,-4) L10(3.2,-4) L11(4,-4)
BGA256_FTG256
  round 0.4 smd: A1(7.5,7.5) A2(7.5,6.5) A3(7.5,5.5) A4(7.5,4.5) A5(7.5,3.5) A6(7.5,2.5) A7(7.5,1.5) A8(7.5,0.5) A9(7.5,-0.5) A10(7.5,-1.5) A11(7.5,-2.5) A12(7.5,-3.5) A13(7.5,-4.5) A14(7.5,-5.5) A15(7.5,-6.5) A16(7.5,-7.5) B1(6.5,7.5) B2(6.5,6.5) B3(6.5,5.5) B4(6.5,4.5) B5(6.5,3.5) B6(6.5,2.5) B7(6.5,1.5) B8(6.5,0.5) B9(6.5,-0.5) B10(6.5,-1.5) B11(6.5,-2.5) B12(6.5,-3.5) B13(6.5,-4.5) B14(6.5,-5.5) B15(6.5,-6.5) B16(6.5,-7.5) C1(5.5,7.5) C2(5.5,6.5) C3(5.5,5.5) C4(5.5,4.5) C5(5.5,3.5) C6(5.5,2.5) C7(5.5,1.5) C8(5.5,0.5) C9(5.5,-0.5) C10(5.5,-1.5) C11(5.5,-2.5) C12(5.5,-3.5) C13(5.5,-4.5) C14(5.5,-5.5) C15(5.5,-6.5) C16(5.5,-7.5) D1(4.5,7.5) D2(4.5,6.5) D3(4.5,5.5) D4(4.5,4.5) D5(4.5,3.5) D6(4.5,2.5) D7(4.5,1.5) D8(4.5,0.5) D9(4.5,-0.5) D10(4.5,-1.5) D11(4.5,-2.5) D12(4.5,-3.5) D13(4.5,-4.5) D14(4.5,-5.5) D15(4.5,-6.5) D16(4.5,-7.5) E1(3.5,7.5) E2(3.5,6.5) E3(3.5,5.5) E4(3.5,4.5) E5(3.5,3.5) E6(3.5,2.5) E7(3.5,1.5) E8(3.5,0.5) E9(3.5,-0.5) E10(3.5,-1.5) E11(3.5,-2.5) E12(3.5,-3.5) E13(3.5,-4.5) E14(3.5,-5.5) E15(3.5,-6.5) E16(3.5,-7.5) F1(2.5,7.5) F2(2.5,6.5) F3(2.5,5.5) F4(2.5,4.5) F5(2.5,3.5) F6(2.5,2.5) F7(2.5,1.5) F8(2.5,0.5) F9(2.5,-0.5) F10(2.5,-1.5) F11(2.5,-2.5) F12(2.5,-3.5) F13(2.5,-4.5) F14(2.5,-5.5) F15(2.5,-6.5) F16(2.5,-7.5) G1(1.5,7.5) G2(1.5,6.5) G3(1.5,5.5) G4(1.5,4.5) G5(1.5,3.5) G6(1.5,2.5) G7(1.5,1.5) G8(1.5,0.5) G9(1.5,-0.5) G10(1.5,-1.5) G11(1.5,-2.5) G12(1.5,-3.5) G13(1.5,-4.5) G14(1.5,-5.5) G15(1.5,-6.5) G16(1.5,-7.5) H1(0.5,7.5) H2(0.5,6.5) H3(0.5,5.5) H4(0.5,4.5) H5(0.5,3.5) H6(0.5,2.5) H7(0.5,1.5) H8(0.5,0.5) H9(0.5,-0.5) H10(0.5,-1.5) H11(0.5,-2.5) H12(0.5,-3.5) H13(0.5,-4.5) H14(0.5,-5.5) H15(0.5,-6.5) H16(0.5,-7.5) J1(-0.5,7.5) J2(-0.5,6.5) J3(-0.5,5.5) J4(-0.5,4.5) J5(-0.5,3.5) J6(-0.5,2.5) J7(-0.5,1.5) J8(-0.5,0.5) J9(-0.5,-0.5) J10(-0.5,-1.5) J11(-0.5,-2.5) J12(-0.5,-3.5) J13(-0.5,-4.5) J14(-0.5,-5.5) J15(-0.5,-6.5) J16(-0.5,-7.5) K1(-1.5,7.5) K2(-1.5,6.5) K3(-1.5,5.5) K4(-1.5,4.5) K5(-1.5,3.5) K6(-1.5,2.5) K7(-1.5,1.5) K8(-1.5,0.5) K9(-1.5,-0.5) K10(-1.5,-1.5) K11(-1.5,-2.5) K12(-1.5,-3.5) K13(-1.5,-4.5) K14(-1.5,-5.5) K15(-1.5,-6.5) K16(-1.5,-7.5) L1(-2.5,7.5) L2(-2.5,6.5) L3(-2.5,5.5) L4(-2.5,4.5) L5(-2.5,3.5) L6(-2.5,2.5) L7(-2.5,1.5) L8(-2.5,0.5) L9(-2.5,-0.5) L10(-2.5,-1.5) L11(-2.5,-2.5) L12(-2.5,-3.5) L13(-2.5,-4.5) L14(-2.5,-5.5) L15(-2.5,-6.5) L16(-2.5,-7.5) M1(-3.5,7.5) M2(-3.5,6.5) M3(-3.5,5.5) M4(-3.5,4.5) M5(-3.5,3.5) M6(-3.5,2.5) M7(-3.5,1.5) M8(-3.5,0.5) M9(-3.5,-0.5) M10(-3.5,-1.5) M11(-3.5,-2.5) M12(-3.5,-3.5) M13(-3.5,-4.5) M14(-3.5,-5.5) M15(-3.5,-6.5) M16(-3.5,-7.5) N1(-4.5,7.5) N2(-4.5,6.5) N3(-4.5,5.5) N4(-4.5,4.5) N5(-4.5,3.5) N6(-4.5,2.5) N7(-4.5,1.5) N8(-4.5,0.5) N9(-4.5,-0.5) N10(-4.5,-1.5) N11(-4.5,-2.5) N12(-4.5,-3.5) N13(-4.5,-4.5) N14(-4.5,-5.5) N15(-4.5,-6.5) N16(-4.5,-7.5) P1(-5.5,7.5) P2(-5.5,6.5) P3(-5.5,5.5) P4(-5.5,4.5) P5(-5.5,3.5) P6(-5.5,2.5) P7(-5.5,1.5) P8(-5.5,0.5) P9(-5.5,-0.5) P10(-5.5,-1.5) P11(-5.5,-2.5) P12(-5.5,-3.5) P13(-5.5,-4.5) P14(-5.5,-5.5) P15(-5.5,-6.5) P16(-5.5,-7.5) R1(-6.5,7.5) R2(-6.5,6.5) R3(-6.5,5.5) R4(-6.5,4.5) R5(-6.5,3.5) R6(-6.5,2.5) R7(-6.5,1.5) R8(-6.5,0.5) R9(-6.5,-0.5) R10(-6.5,-1.5) R11(-6.5,-2.5) R12(-6.5,-3.5) R13(-6.5,-4.5) R14(-6.5,-5.5) R15(-6.5,-6.5) R16(-6.5,-7.5) T1(-7.5,7.5) T2(-7.5,6.5) T3(-7.5,5.5) T4(-7.5,4.5) T5(-7.5,3.5) T6(-7.5,2.5) T7(-7.5,1.5) T8(-7.5,0.5) T9(-7.5,-0.5) T10(-7.5,-1.5) T11(-7.5,-2.5) T12(-7.5,-3.5) T13(-7.5,-4.5) T14(-7.5,-5.5) T15(-7.5,-6.5) T16(-7.5,-7.5)
BNC-5-1634556-0
  round 2.54 hole 1.27: 1(-0.004,0.004)
  round 3.55 hole 1.9: 2(-3.302,3.302) 2(-3.302,-3.298) 2(3.298,3.302) 2(3.298,-3.298)
C_0402
  rect 0.6x0.45 smd: 1(0,0.45) 2(0,-0.45)
C_0603
  rect 0.889x0.635 smd: 1(0,0.75) 2(0,-0.75)
C_0805
  rect 1.3x1 smd: 1(0,1) 2(0,-1)
C_1210
  rect 2.1x1.1 smd: 1(0,-1.65) 2(0,1.65)
CP-8-2
  oval 0.254x0.71 smd: 1(0.75,1.37) 2(0.25,1.37) 3(-0.25,1.37) 4(-0.75,1.37) 5(-0.75,-1.37) 6(-0.25,-1.37) 7(0.25,-1.37) 8(0.75,-1.37)
  rect 1.85x1.53 smd: EP(0,0)
CP-16-2
  oval 0.254x0.71 smd: 1(0.75,1.37) 2(0.25,1.37) 3(-0.25,1.37) 4(-0.75,1.37) 9(-0.75,-1.37) 10(-0.25,-1.37) 11(0.25,-1.37) 12(0.75,-1.37)
  oval 0.71x0.254 smd: 5(-1.37,0.75) 6(-1.37,0.25) 7(-1.37,-0.25) 8(-1.37,-0.75) 13(1.37,-0.75) 14(1.37,-0.25) 15(1.37,0.25) 16(1.37,0.75)
  rect 1.37x1.37 smd: EP(0,0)
DIL14_RA
  round 1.75 hole 1: 1(7.62,2.54) 2(7.62,0) 3(5.08,2.54) 4(5.08,0) 5(2.54,2.54) 6(2.54,0) 7(0,2.54) 8(0,0) 9(-2.54,2.54) 10(-2.54,0) 11(-5.08,2.54) 12(-5.08,0) 13(-7.62,2.54) 14(-7.62,0)
EMI_SHLD_FINGER_0820
  rect 0.6x1.5 smd: 1(-0.8,0) 1(0.8,0)
FID_1mm_2mm
  round 1 smd: 1(0,0)
G6K-2F-Y
  rect 1.8x0.8 smd: 1(-3.5,3.8) 2(-3.5,0.6) 3(-3.5,-1.6) 4(-3.5,-3.8) 5(3.5,-3.8) 6(3.5,-1.6) 7(3.5,0.6) 8(3.5,3.8)
GDT_SH
  rect 0.8x6 smd: 1(-1.85,0) 2(1.85,0)
HS-ANC
  round 1.8 hole 0.97: 1(-2.54,0) 1(2.54,0)
L48.7x7E
  oval 0.7x0.26 smd: 1(-3.45,2.75) 2(-3.45,2.25) 3(-3.45,1.75) 4(-3.45,1.25) 5(-3.45,0.75) 6(-3.45,0.25) 7(-3.45,-0.25) 8(-3.45,-0.75) 9(-3.45,-1.25) 10(-3.45,-1.75) 11(-3.45,-2.25) 12(-3.45,-2.75) 25(3.45,-2.75) 26(3.45,-2.25) 27(3.45,-1.75) 28(3.45,-1.25) 29(3.45,-0.75) 30(3.45,-0.25) 31(3.45,0.25) 32(3.45,0.75) 33(3.45,1.25) 34(3.45,1.75) 35(3.45,2.25) 36(3.45,2.75)
  oval 0.26x0.7 smd: 13(-2.75,-3.45) 14(-2.25,-3.45) 15(-1.75,-3.45) 16(-1.25,-3.45) 17(-0.75,-3.45) 18(-0.25,-3.45) 19(0.25,-3.45) 20(0.75,-3.45) 21(1.25,-3.45) 22(1.75,-3.45) 23(2.25,-3.45) 24(2.75,-3.45) 37(2.75,3.45) 38(2.25,3.45) 39(1.75,3.45) 40(1.25,3.45) 41(0.75,3.45) 42(0.25,3.45) 43(-0.25,3.45) 44(-0.75,3.45) 45(-1.25,3.45) 46(-1.75,3.45) 47(-2.25,3.45) 48(-2.75,3.45)
  rect 1.45x1.45 smd: EP(-1.78,1.78) EP(-1.78,0) EP(-1.78,-1.78) EP(0,1.78) EP(0,0) EP(0,-1.78) EP(1.78,1.78) EP(1.78,0) EP(1.78,-1.78)
  rect 5.6x5.6 smd: EP(0,0)
L_0805
  rect 1.3x1 smd: 1(0,1) 2(0,-1)
L_NRS
  rect 4x1.5 smd: 1(0,-1.8) 2(0,1.8)
LED_0805
  rect 1.3x1.1 smd: 1(0,-1.1) 2(0,1.1)
MountingHole_3.2mm_M3_Pad
  round 5.2 hole 3.2: 1(0,0)
R_0402
  rect 0.55x0.5 smd: 1(0,0.5) 2(0,-0.5)
R_0603
  rect 0.889x0.635 smd: 1(0,0.75) 2(0,-0.75)
R_0805
  rect 1.3x1.1 smd: 1(0,1.1) 2(0,-1.1)
R_1206
  rect 1.6x1 smd: 1(0,1.5) 2(0,-1.5)
R_CRA06E
  rect 1.15x0.44 smd: 1(0.975,-1.2) 2(0.975,-0.4) 3(0.975,0.4) 4(0.975,1.2) 5(-0.975,1.2) 6(-0.975,0.4) 7(-0.975,-0.4) 8(-0.975,-1.2)
S-PQFP-G48
  rect 0.28x1.3 smd: 1(2.75,4) 2(2.25,4) 3(1.75,4) 4(1.25,4) 5(0.75,4) 6(0.25,4) 7(-0.25,4) 8(-0.75,4) 9(-1.25,4) 10(-1.75,4) 11(-2.25,4) 12(-2.75,4) 25(-2.75,-4) 26(-2.25,-4) 27(-1.75,-4) 28(-1.25,-4) 29(-0.75,-4) 30(-0.25,-4) 31(0.25,-4) 32(0.75,-4) 33(1.25,-4) 34(1.75,-4) 35(2.25,-4) 36(2.75,-4)
  rect 1.3x0.28 smd: 13(-4,2.75) 14(-4,2.25) 15(-4,1.75) 16(-4,1.25) 17(-4,0.75) 18(-4,0.25) 19(-4,-0.25) 20(-4,-0.75) 21(-4,-1.25) 22(-4,-1.75) 23(-4,-2.25) 24(-4,-2.75) 37(4,-2.75) 38(4,-2.25) 39(4,-1.75) 40(4,-1.25) 41(4,-0.75) 42(4,-0.25) 43(4,0.25) 44(4,0.75) 45(4,1.25) 46(4,1.75) 47(4,2.25) 48(4,2.75)
SC70
  rect 0.28x1 smd: 1(0.75,0.9) 2(0.25,0.9) 3(-0.25,0.9) 4(-0.75,0.9) 5(-0.75,-0.9) 6(-0.25,-0.9) 7(0.25,-0.9) 8(0.75,-0.9)
SC70-5
  rect 0.4x1 smd: 1(-0.65,-0.9) 2(0,-0.9) 3(0.65,-0.9) 4(0.65,0.9) 5(-0.65,0.9)
SC70-6
  rect 0.4x1 smd: 1(0.65,0.9) 2(0,0.9) 3(-0.65,0.9) 4(-0.65,-0.9) 5(0,-0.9) 6(0.65,-0.9)
SGC3
  rect 1.4x1.075 smd: 1(0,-1.837) 2(0,1.837)
SIL6
  round 1.65 hole 1: 1(-6.35,0) 2(-3.81,0) 3(-1.27,0) 4(1.27,0) 5(3.81,0) 6(6.35,0)
SLP3-300-100-R
  round 1.676 hole 1.168: 1(-2.692,-1.289) 2(-2.692,1.289)
SOD123
  rect 0.95x0.9 smd: 1(0,1.575) 2(0,-1.575)
SOD323
  rect 0.54x1.06 smd: 1(0,1.07) 2(0,-1.07)
SOIC8
  rect 1.98x0.6 smd: 1(-2.465,1.905) 2(-2.465,0.635) 3(-2.465,-0.635) 4(-2.465,-1.905) 5(2.465,-1.905) 6(2.465,-0.635) 7(2.465,0.635) 8(2.465,1.905)
SOP-4
  rect 1.2x0.8 smd: 1(3,-1.27) 2(3,1.27) 3(-3,1.27) 4(-3,-1.27)
SOT23
  rect 0.6x0.7 smd: 1(-0.95,-1) 2(0.95,-1) 3(0,1)
SOT23-5
  rect 0.5x1.2 smd: 1(-0.95,-1.1) 2(0,-1.1) 3(0.95,-1.1) 4(0.95,1.1) 5(-0.95,1.1)
SOT23-5_EXAR
  rect 0.5x1.2 smd: 1(0.95,1.1) 2(0,1.1) 3(-0.95,1.1) 4(-0.95,-1.1) 5(0.95,-1.1)
SOT23-6
  rect 0.6x1.05 smd: 1(-0.95,-1.35) 2(0,-1.35) 3(0.95,-1.35) 4(0.95,1.35) 5(0,1.35) 6(-0.95,1.35)
SOT323
  rect 0.7x0.9 smd: 1(-0.65,-0.95) 2(0.65,-0.95) 3(0,0.95)
SOT363
  rect 0.6x0.6 smd: 1(0.762,0.889) 3(-0.762,0.889) 4(-0.762,-0.889) 6(0.762,-0.889)
  rect 0.4x0.6 smd: 2(0,0.889) 5(0,-0.889)
SOT-543
  rect 0.5x0.45 smd: 1(0.55,0.775) 2(-0.55,0.775) 3(-0.55,-0.775) 4(0.55,-0.775)
SSOP20
  rect 1.62x0.42 smd: 1(-3.425,2.925) 2(-3.425,2.275) 3(-3.425,1.625) 4(-3.425,0.975) 5(-3.425,0.325) 6(-3.425,-0.325) 7(-3.425,-0.975) 8(-3.425,-1.625) 9(-3.425,-2.275) 10(-3.425,-2.925) 11(3.425,-2.925) 12(3.425,-2.275) 13(3.425,-1.625) 14(3.425,-0.975) 15(3.425,-0.325) 16(3.425,0.325) 17(3.425,0.975) 18(3.425,1.625) 19(3.425,2.275) 20(3.425,2.925)
